# Altium PCB pcb_ROTUND_2 Layers.PcbDoc (part 2 of 2)
Units mil, origin at the board's own origin, x right, y up, seen from the top; angles counter-clockwise.
Board outline 3480.27 x 1380.39 mil, 4 copper layers (Top Layer 1, Signal 1, Signal 2, Bottom Layer 1), stack 70.167 mil thick; 97 components, 66 nets, 389 pads, 469 vias.
Unrouted connection lines stored in the file: 1.
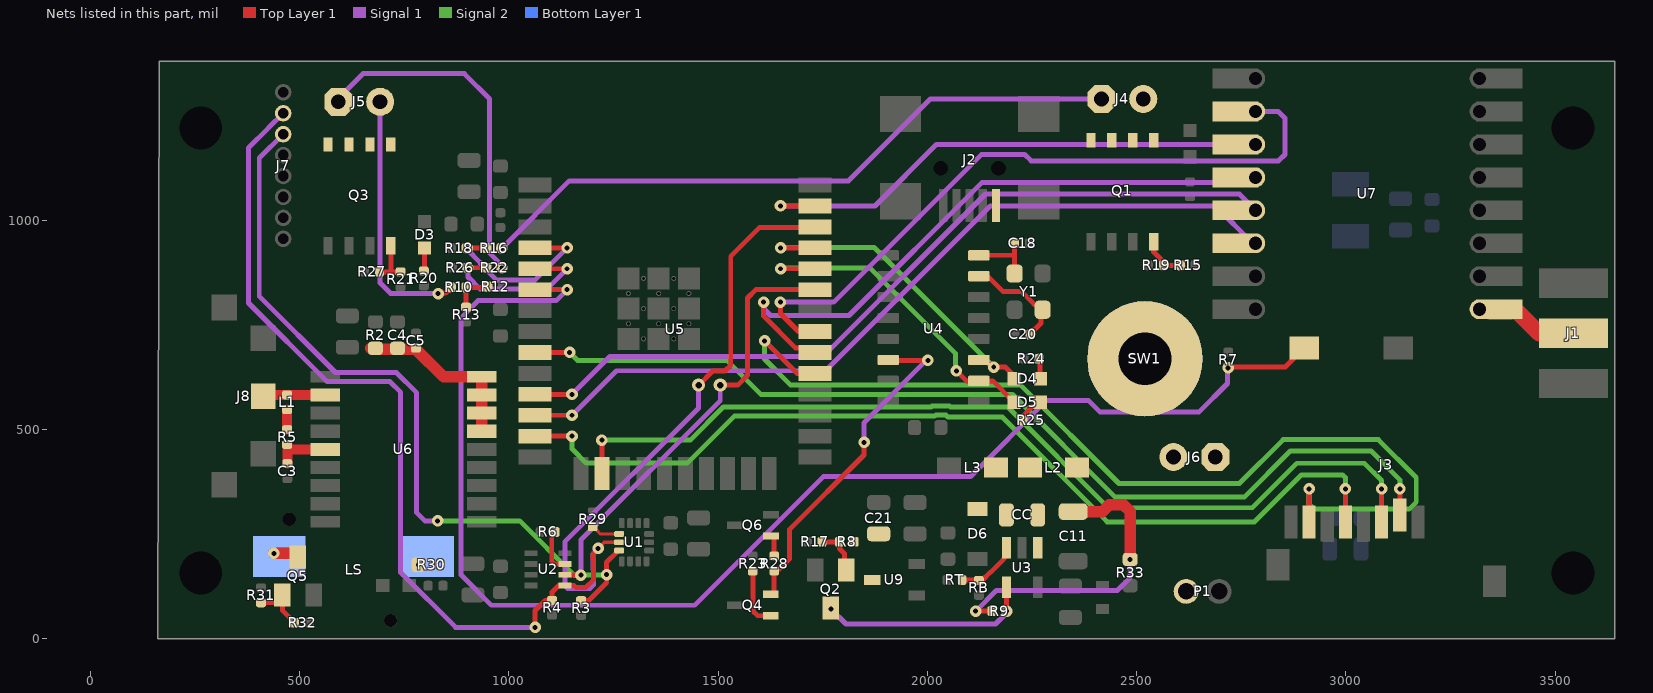
[diagram p4: the nets of this part, all layers, seen from the top]

## Via types
v1: diameter 31.5, hole 15.75, Top Layer 1 to Bottom Layer 1, tented both sides, 345 vias
v2: diameter 27.56, hole 11.81, Top Layer 1 to Bottom Layer 1, tented both sides, 112 vias
v3: diameter 27.56, hole 11.81, Top Layer 1 to Bottom Layer 1, 10 vias
v4: diameter 59.06, hole 59.06, Top Layer 1 to Bottom Layer 1, tented both sides, 2 vias

## Nets (pads, with @x,y where several pads share a name; then routed paths per layer and width w, separated by ;. In a path a pad name is that pad's centre, name@x,y a point inside that pad or via, vN(x,y) a via of type N, cw(c..) or ccw(c..) an arc to the next point about the centre after c; other vN are vias at no path point) (continued)
NetD3_1: D3.1 R20.1 | length 60.4
  Top Layer 1 w11.81: R20.1@790.83,877.1 791.81,877.1 796.73,882.02 796.73,886.97 798.71,888.94 D3.1@798.71,933.7
NetD4_1: D4.1 R24.1 | length 47.6
  Top Layer 1 w11.81: R24.1@2266.3,676.66 2268.52,674.44 D4.1@2268.52,630
NetD5_1: D5.1 R25.1 | length 65.8
  Top Layer 1 w11.81: R25.1@2228.58,522 2228.58,533.41 2250.95,555.78 2259.79,555.78 D5.1@2269.63,565.62
NetJ1_1: J1.1 U7.9 U7.9_1 | length 295.6
  Top Layer 1 w31.5: U7.9@3345.63,778.03 U7.9@3392.87,778.03
  Top Layer 1 w39.37: U7.9_1@3318.9,787.76 U7.9@3366.14,787.76 3403.94,787.76 3461.67,730.02 J1.1@3543.31,730.02
NetJ4_1: J4.1 Q1.5 Q1.6 Q1.7 Q1.8 R16.2 | length 1579.8
  Signal 1 w11.81: v2(983.47,933.69) 1144.26,1094.49 1811.38,1094.49 2006.89,1290 J4.1@2415.63,1290
NetJ5_1: J5.1 Q3.5 Q3.6 Q3.7 Q3.8 R22.2 | length 834.5
  Signal 1 w11.81: J5.1@592.4,1283.3 592.4,1291.27 651.52,1350.39 893.7,1350.39 954.11,1289.98 954.11,946.1 953.94,945.93 953.94,921.46 975.32,900.08 975.32,898.65 982.93,891.03 v2(982.93,886.77)
NetJ6_1: J6.1 P1.1 SW1.2
NetJ8_3: J8.3 L1.2 U6.11 | length 148.7
  Top Layer 1 w23.62: J8.3@413.35,580.21 415.82,582.68 U6.11@561.02,582.68
NetL1_1: L1.1 R5.2 | length 47.7
  Top Layer 1 w23.62: R5.2@470.08,500 L1.1@470.08,547.69
NetLS_M: LS.M Q5.3 | length 76.7
  Top Layer 1 w11.81: v2@438.04,204.08 v2(438.49,204.08)
  Top Layer 1 w27.56: v2(438.49,204.08) 490.16,204.08 496.06,198.18 Q5.3@496.06,195.24
  Bottom Layer 1 w11.81: v2(438.49,204.08) 445.72,196.85 LS.M@448.82,196.85
NetLS_P: LS.P R30.1
  other v2: 783.46,177.19
NetQ1_4: Q1.4 R15.1 R19.2 | length 113.8
  Top Layer 1 w11.81: Q1.4@2540.63,949.25 2540.63,924.45 2559.09,905.98 2559.09,897.51 R19.2@2564.02,892.59 2608.59,892.59 R15.1@2610.63,890.55
NetQ2_1: Q2.1 R8.1 R17.2 | length 124.1
  Top Layer 1 w11.81: R17.2@1748.57,231.15 1786.43,231.15 1788.78,233.5 R8.1@1794.49,227.79 ; R8.1@1789.57,232.05 1789.57,215.86 1801.7,203.73 1801.7,168.97 Q2.1@1806.5,164.18
NetQ2_3: Q2.3 R9.1 U3.4 | length 507.5
  Top Layer 1 w11.81: U3.4@2188.7,123.03 2189.24,122.49 R9.1@2189.24,71.72
  Signal 1 w11.81: v2(1769.1,71.72) 1805.38,35.43 2162.76,35.43 2183.34,56.01 2183.34,56.93 2186.23,59.82 2186.23,68.71 v2@2189.24,71.72
  other v2: 2189.24,66.42
NetQ3_4: Q3.4 R21.1 R27.2 | length 114
  Top Layer 1 w11.81: R27.2@690.43,877.1 717.85,877.1 R21.1@741.24,877.1 ; Q3.4@717.85,938.8 717.85,880.8 721.55,877.1
NetQ4_1: Q4.1 R23.2 | length 134.5
  Top Layer 1 w11.81: R23.2@1583.07,153.43 1583.07,66.42 1594.24,55.26 Q4.1@1625.98,55.26
NetQ5_1: Q5.1 R31.1 R32.2 | length 135.6
  Top Layer 1 w11.81: R31.1@407.63,86.41 444.88,86.41 Q5.1@458.66,100.19 ; Q5.1@458.66,104.69 Q5.1@458.66,100.19 ; R32.2@487.96,38.24 R32.2@488.23,38.51 458.66,68.08 Q5.1@458.66,100.19
NetQ6_1: Q6.1 R28.2 | length 50.8
  Top Layer 1 w11.81: Q6.1@1626.38,245.83 1633.08,239.14 R28.2@1633.08,197.83
NetR6_1: R6.1 U2.2 | length 108
  Top Layer 1 w11.81: R6.1@1110.24,255.48 1102.36,247.6 1102.36,185.34 1109.28,178.42 1133.35,178.42 U2.2@1133.86,178.92
NetR10_1: R10.1 R12.1 R13.2 | length 99.8
  Top Layer 1 w11.81: R13.2@897.72,792.72 R10.1@897.72,840 947.86,840 R12.1@949.53,841.67
NetR29_2: R29.2 U1.12 | length 70.5
  Top Layer 1 w7.87: R29.2@1200.28,268.1 1200.46,268.1 1208.15,260.41 1208.15,260.22 1217.77,250.6 U1.12@1263.39,250.6
NetRB_2: RB.2 RT.1 U3.3 | length 150.1
  Top Layer 1 w11.81: RT.1@2082.4,140.75 2131.61,140.75 2149.1,158.23 2149.95,158.23 2180.01,188.3 2180.01,189.15 2188.7,197.83 U3.3@2188.7,217.52
RFM_CLK: U5.30 U7.4 U7.4_1 | length 1526.3
  Top Layer 1 w11.81: v2(1608.66,804.61) 1608.66,771.34 1684.45,695.55 1720.57,695.55 U5.30@1731.77,684.35
  Signal 1 w11.81: v2(1608.66,804.61) 1610.75,802.52 1610.75,786.89 1624.98,772.66 1812.66,772.66 2130.87,1090.87 2745.39,1090.87 2755.91,1101.38 2782.13,1101.38 U7.4_1@2783.46,1102.72
RFM_MISO: U5.31 U7.2 U7.2_1 | length 1656.8
  Top Layer 1 w11.81: v2@1648.94,804.61 1648.94,777.43 1692.02,734.35 U5.31@1731.77,734.35
  Signal 1 w11.81: v2(1648.68,804.61) 1776.16,804.61 2129.35,1157.8 2231.97,1157.8 2247.68,1142.09 2838.94,1142.09 2854.33,1157.48 2854.33,1244.09 2838.23,1260.2 U7.2_1@2783.46,1260.2
RFM_MOSI: U5.37 U7.3 U7.3_1 | length 1278.7
  Top Layer 1 w11.81: v2@1648.68,1034.09 v2(1648.94,1034.35) U5.37@1731.77,1034.35
  Signal 1 w11.81: v2(1648.94,1034.35) 1874.59,1034.35 2021.69,1181.46 U7.3_1@2783.46,1181.46
RFM_NSS: U5.11 U7.5 U7.5_1 | length 1936
  Top Layer 1 w11.81: U5.11@1062.48,584.35 v2(1150.79,584.35)
  Signal 1 w11.81: v2(1150.79,584.35) 1241.44,675 1750.65,675 2138.64,1062.99 2745.39,1062.99 2783.46,1024.92 U7.5_1@2783.46,1023.98
RFM_RESET: U5.12 U7.6 U7.6_1 | length 1960.7
  Top Layer 1 w11.81: U5.12@1062.48,534.35 v2(1150.79,534.35)
  Signal 1 w11.81: v2(1150.79,534.35) 1257.1,640.66 1756.41,640.66 2150.1,1034.35 2688.25,1034.35 U7.6_1@2778.62,943.98
RST: Q4.2 R28.1 U4.14 | length 824
  Top Layer 1 w11.81: Q4.2@1625.98,106.44 1630.91,106.44 1633.86,109.39 R28.1@1633.86,162.4 ; R28.1@1634.55,158.95 1638.29,158.95 1638.29,165.85 1639.76,167.32 1646.66,167.32 1670,190.67 1670,260.9 1848.48,439.37 v2(1848.48,469.44) ; U4.14@1906.26,666.57 1907.48,665.35 v2(2001.09,665.35)
  Signal 1 w11.81: v2@1848.48,469.47 1848.48,516.31 1997.53,665.35 v2(2001.09,665.35)
RX: D4.2 U4.3 U5.35 | length 794.8
  Top Layer 1 w11.81: v2(1649.35,934.35) U5.35@1731.77,934.35 ; U4.3@2136.38,666.57 2153.49,649.46 v2(2158.43,649.46) 2186.07,649.46 D4.2@2205.53,630
  Signal 2 w11.81: v2(1649.35,934.35) 1650.51,935.51 1872.37,935.51 v2(2158.43,649.46)
SCL: J7.2 R4.1 U1.13 U2.4 U5.36 | length 3472.7
  Top Layer 1 w7.87: v2(1213.1,216.19) 1213.1,216.36 1227.65,230.92 U1.13@1263.39,230.92
  Top Layer 1 w11.81: v2(1062.48,27.56) 1062.48,67.7 1086.88,92.09 R4.1@1103.07,92.09 1103.07,111.84 1118.98,127.74 U2.4@1133.86,127.74 1155.22,127.74 1159.9,123.07 1184.36,123.07 1201.65,140.37 1201.65,189.85 1200.79,190.71 1200.79,203.45 1213.1,215.76 v2(1213.1,216.19) ; v1(1453.36,606.38) 1486.98,640 1516.42,640 1530,653.58 1530,914.25 1599.18,983.43 1730.85,983.43 U5.36@1731.77,984.35
  Signal 1 w11.81: J7.2@460.63,1255.91 460.52,1255.91 425.2,1220.58 425.2,1220.47 377.95,1173.23 377.95,802.56 565.84,614.68 716.03,614.68 741.52,589.19 741.52,158.63 872.6,27.56 v2(1062.48,27.56) ; v2(1213.1,216.19) 1213.1,215.76 1200.79,203.45 1200.79,165.7 1201.65,164.83 1201.65,128.42 1193.87,120.64 1140.52,120.64 1133.6,127.56 1133.6,232.03 1453.36,551.79 v1@1453.36,604.68
SD_CS: J3.2 U5.9 | length 2368.2
  Top Layer 1 w11.81: U5.9@1062.48,684.35 v2(1145,684.35) ; J3.2@3128.54,295.52 v2(3128.54,358.35)
  Signal 2 w11.81: v2(1145,684.35) 1164,665.35 1520.86,665.35 1601.86,584.35 2203.23,584.35 2203.38,584.2 2448.82,338.76 2757.02,338.76 ; 2757.02,338.84 2867.32,449.14 3059.65,449.14 3128.54,380.24 v2(3128.54,358.35)
SD_IN: J3.9 R7.2 U5.6 | length 3315.8
  Top Layer 1 w11.81: U5.6@1062.48,834.35 v2(1139.25,834.35) ; v2(2718.64,647.66) 2720.68,649.7 2855.16,649.7 J3.9@2900.59,695.12
  Signal 1 w11.81: v2(1139.25,834.35) 1112.94,808.04 926.15,808.04 885.83,767.72 885.83,152.65 958.08,80.4 1444.01,80.4 1751.15,387.53 2102.87,387.53 2285.41,570.07 2384.39,570.07 2411.86,542.61 2649.19,542.61 2716.82,610.24 2716.82,645.84 v2(2718.64,647.66)
SD_MISO: J3.7 U5.29 | length 2399.2
  Top Layer 1 w11.81: v2(1610.81,712) 1688.46,634.35 U5.29@1731.77,634.35 ; J3.7@2912.01,279.77 v2(2912.01,358.35)
  Signal 2 w11.81: v2(1610.81,712) 1610.81,668.71 1673.15,606.38 2222.53,606.38 2457.55,371.36 2745.2,371.36 ; 2745.2,371.44 2849.92,476.16 3077.22,476.16 3167.91,385.47 3167.91,326.85 3151.02,309.96 2923.82,309.96 2912.01,321.77 v2(2912.01,358.35)
SD_MOSI: J3.3 U5.16 | length 2233.2
  Top Layer 1 w11.81: U5.16@1222.13,394.98 1222.13,467.13 v2@1225,470 ; J3.3@3085.24,279.77 v2(3085.24,358.35)
  Signal 2 w11.81: v2(1222.13,475) 1433.6,475 1512.5,553.89 2008.64,553.89 2010.93,556.18 2053.33,556.18 2055.61,553.89 2191.68,553.89 2432.18,313.39 2776.16,313.39 2882.4,419.63 3043.9,419.63 3085.24,378.29 v2(3085.24,358.35)
SD_SCK: J3.5 U5.13 | length 2288.2
  Top Layer 1 w11.81: U5.13@1062.48,484.35 v2(1150.79,484.35) ; J3.5@2998.62,279.77 v2(2998.62,358.35)
  Signal 2 w11.81: v2(1150.79,484.35) 1150.79,454.21 1185,420 1426.36,420 1538.5,532.14 2017.51,532.14 2019.9,534.53 2044.36,534.53 2048.97,529.92 2179.3,529.92 2429.53,279.69 2781.46,279.69 2781.54,279.77 2792.29,290.52 2893.82,392.05 2991.7,392.05 2998.62,385.13 v2(2998.62,358.35)
SDA: J7.3 R3.1 U1.14 U2.3 U5.33 | length 2912.8
  Top Layer 1 w9.84: 1233.24,134.39 v2(1233.24,153.33)
  Top Layer 1 w11.81: U2.3@1133.86,153.33 1134.59,152.6 v2(1172.13,152.6) ; R3.1@1172.52,91.38 1190.24,91.38 1233.24,134.39 ; v2(1233.24,153.33) 1233.24,182.94 1258.58,208.28 1260.43,208.28 U1.14@1263.39,211.23 ; v1(1505,606.38) 1546.38,606.38 1570,630 1570,814.45 1589.9,834.35 U5.33@1731.77,834.35
  Signal 1 w11.81: J7.3@460.63,1205.91 460.52,1205.91 403.54,1148.93 403.54,818.51 585.73,636.33 730.96,636.33 779.53,587.76 779.53,301.35 799,281.88 v2(829.47,281.88) ; v2(1172.13,152.6) 1172.13,236.48 1505,569.36 v1(1505,606.38)
  Signal 2 w11.81: v2(829.47,281.88) 1025.6,281.88 1154.41,153.07 1232.97,153.07 v2(1233.24,153.33)
SENSE1: R22.1 R26.2 U5.5 | length 417.2
  Top Layer 1 w11.81: R26.2@900.21,886.77 v2(902.18,886.77) R22.1@947.5,886.77 ; U5.5@1062.48,884.35 v2(1139.25,884.35)
  Signal 1 w11.81: v2(902.18,886.77) 902.18,864.73 931.31,835.59 1090.49,835.59 v2(1139.25,884.35)
  Bottom Layer 1 w11.81: v2@1138.04,885.56 v2(1139.25,884.35)
SENSE2: R16.1 R18.2 U5.4 | length 431.5
  Top Layer 1 w11.81: R18.2@898.01,933.7 v2(899.97,933.7) R16.1@946.07,933.7 ; U5.4@1062.48,934.35 v2(1139.25,934.35)
  Signal 1 w11.81: v2(899.97,933.7) 899.97,930.74 931.7,899 931.7,896.24 970.7,857.25 1062.15,857.25 v2(1139.25,934.35)
  Bottom Layer 1 w11.81: v2@1138.93,934.03 v2(1139.25,934.35)
SW1: CC.1 L2.2 U3.1
SW2: CC.2 D6.1 L3.2
TX: D5.2 U4.2 U5.34 | length 796.8
  Top Layer 1 w11.81: v2(1649.35,884.35) U5.34@1731.77,884.35 ; v2(2069.13,640.51) 2069.13,640.26 2092.82,616.57 U4.2@2122.8,616.57 2155.69,616.57 D5.2@2206.64,565.62
  Signal 2 w11.81: v2(1649.35,884.35) 1651.6,886.6 1862.42,886.6 2066.74,682.27 2066.74,642.9 v2(2069.13,640.51)
VBat: C11.2 J4.2 J5.2 J6.2 L2.1 R9.2 R10.2 R33.2 SW1.1 | length 1368.4
  Top Layer 1 w11.81: v2(830.71,825.2) 831.65,826.14 848.43,826.14 856.38,834.09 857.36,834.09 862.28,839.02 R10.2@862.28,840 ; v2(2115.12,66.42) R9.2@2153.81,66.42
  Top Layer 1 w27.56: C11.2@2348.15,304.13 2418.03,304.13 2434.33,320.43 2468.11,320.43 2484.25,304.29 v2(2484.25,190.08)
  Signal 1 w11.81: J5.2@692.4,1283.3 692.4,850.39 717.59,825.2 v2(830.71,825.2) ; v2(2115.12,66.42) 2164.34,115.65 2453.63,115.65 2484.25,146.27 v2(2484.25,190.08)
VCC_GPS: C4.2 C5.2 R2.2 U6.6 U6.7 U6.8 U6.9 | length 422.9
  Top Layer 1 w27.56: R2.2@670.41,694.54 672.97,691.98 777.8,691.98 843.79,625.98 U6.9@935.04,625.98 U6.8@935.04,582.68 U6.7@935.04,539.37 U6.6@935.04,496.06
VCC_RF: C3.2 R5.1 U6.14 | length 125.3
  Top Layer 1 w23.62: R5.1@470.08,464.57 470.63,464.02 C3.2@470.63,418.6 ; 481.89,452.76 U6.14@561.02,452.76
VUSB: C21.2 J2.1 R8.2 U9.3
X1: C20.2 U4.7 Y1.3 | length 255.1
  Top Layer 1 w11.81: U4.7@2122.8,866.57 2143.95,866.57 2179.98,830.55 2223.74,830.55 2254.8,799.49 2262.19,799.49 2272.75,788.93 2272.75,781.54 2271.51,780.3 2271.51,754.84 2245.04,728.38 C20.2@2245.04,727.39
X2: C18.2 U4.8 Y1.1 | length 165.7
  Top Layer 1 w11.81: U4.8@2127.68,911.69 U4.8@2122.8,916.57 2208.32,916.57 ; C18.2@2205.7,945.24 2208.32,942.62 2208.32,916.57 ; Y1.1@2208.32,873.02 2208.32,916.57
pads on no net: J2.4 J2.MH J3.1 J3.8 LS. U1.2 U1.3 U1.4 U1.9 U1.10 U1.11 U4.9 U4.10 U4.11 U4.12 U4.15 U5.17 U5.18 U5.19 U5.20 U5.21 U5.22 U5.32 U6.4 U6.5 U6.13 U6.15 U6.16 U6.17 U6.18 U7.11 U7.11_1 U7.12 U7.12_1 U7.16 U7.16_1
copper on no net: | length 945.6
  Top Layer 1 w11.81: v2@460.63,879.04 460.63,859.32 512.86,807.09 735.21,807.09 784.92,757.38 v2@831.26,757.38
  Signal 1 w11.81: v2(460.63,882.02) 515.04,882.02 541.31,908.29 541.31,1120.11 505.51,1155.91 460.63,1155.91
  Signal 2 w11.81: v2(824.8,755.41) 827.95,755.41 870.76,712.6 v2(921.26,712.6)
  other v4: 220.28,389.27 220.28,771.16

## Polygon pours and split planes (outlines as drawn)
GND on Top Layer 1 "full" (solid, remove dead copper, pour order 33): 161.46,834.09 450.4,834.09 450.4,321.61 161.46,321.61 161.46,0 3641.73,0 3641.73,1380.39 165.35,1380.39 161.46,1376.5
3.3V on Top Layer 1 "full" (solid, remove dead copper, pour order 12): 3421.26,1129.92 2992.13,1129.92 2992.13,1032.24 2993.62,1030.75 2996.97,1034.09 3262.44,1034.09 3299.21,1070.87 3421.26,1070.87
GND on Top Layer 1 "full" (solid, remove dead copper, pour order 7): 2625.34,212.86 2744.09,212.86 2744.09,0 2486.91,0 1889.76,0 1889.76,244.4 2593.8,244.4
VBat on Top Layer 1 "full" (solid, remove dead copper, pour order 4): 2625.34,807.42 2657.48,775.29 2658.62,772.65 2655.11,394.13 2573.9,394.13 2573.9,271.43 2305.83,271.43 2305.83,433.64 2380.69,433.64 2380.69,778.66 2409.45,807.42
GND on Top Layer 1 "full" (solid, remove dead copper, pour order 20): 2249.29,838.7 2266.61,821.38 2266.69,821.38 2515.63,821.38 2540.78,846.53 2540.78,907.16 2513.34,907.16 2513.34,996.06 2343.21,996.06 2343.21,1369.39 2342.52,1370.08 1720.47,1370.08 1720.47,1220.36 1721.93,1218.9 2227.33,1218.9 2227.33,935.51 2228.49,934.35 2249.29,934.35
VUSB on Top Layer 1 "full" (solid, remove dead copper, pour order 1): 1838.47,229.89 1838.47,121.07 1896.64,121.07 1896.64,228.46 1895.39,229.89 1930.28,229.89 1930.28,509.35 1861.38,578.24 1861.38,1157.48 2115.12,1157.48 2115.12,1044.72 2154.84,1005 2222.29,1005 2222.29,1204.21 1796.66,1204.21 1796.66,229.89
3.3V on Top Layer 1 "full" (solid, remove dead copper, pour order 17): 826.27,212.19 1069.4,212.19 1069.4,142.25 826.27,142.25
3.3V on Top Layer 1 "full" (solid, remove dead copper, pour order 0): 1936.88,212.86 1935.98,211.96 1896.64,211.96 1896.64,121.07 1936.88,121.07 2145.53,121.07 2145.53,209.81 2137.31,218.04 2016.93,218.04 2016.93,274.8 2015.79,275.94 1936.88,275.94
SW1 on Top Layer 1 "full" (solid, remove dead copper, pour order 30): 2216.54,433.37 2219.22,430.68 2284.45,430.68 2284.45,193.28 2250.88,193.28 2250.88,258.96 2246.29,263.55 2216.54,263.55 2216.54,430.68 2278.54,430.68
SW2 on Top Layer 1 "full" (solid, remove dead copper, pour order 27): 2131.4,434.35 2131.48,434.43 2204.96,434.43 2204.96,263.55 2094.54,263.55 2094.54,335.58 2097.31,338.36 2131.4,338.36 2131.4,433.71 2132.13,434.43
GND on Top Layer 1 "GND_L01_P026" (solid, remove dead copper, pour order 26): 158.54,843.96 159.5,844.52 536.58,844.52 536.58,272.06 157.26,271.92 157.26,842.67
GND on Top Layer 1 "full" (solid, remove dead copper, pour order 19): 681.1,968.5 539.37,968.5 539.37,814.45 681.1,814.45 681.1,892.58
no net on Top Layer 1 "NONET_L01_P010" (solid, remove dead copper, pour order 10): 2215.99,1086.93 2216.54,1087.48 2216.54,1208.66 1885.83,1208.66
NetJ4_1 on Top Layer 1 "full" (solid, remove dead copper, pour order 11): 2362.2,1346.46 2362.2,1000 2569.96,1000 2573.9,996.06 2573.9,1218.9 2461.58,1218.9 2461.58,1345.12 2366.02,1345.12
NetJ5_1 on Top Layer 1 "full" (solid, remove dead copper, pour order 21): 539.37,1342.52 538.52,1341.67 538.52,990.91 730.26,990.91 733.8,994.46 733.8,1200.79 636.42,1200.79 636.42,1338.42 543.25,1338.42
3.3V on Top Layer 1 "full" (solid, remove dead copper, pour order 15): 1100.51,1050.74 1100.07,1051.18 1003.94,1051.18 1003.94,1091.36 864.78,1091.36 864.78,1152.18 866.14,1153.54 747.19,1153.54 747.19,1022.18 752.61,1016.75 1100.51,1016.75
GND on Top Layer 1 "full" (solid, remove dead copper, pour order 18): 775.09,1013.78 777.05,1011.81 881.89,1011.81 881.89,870.08 819.88,870.08 819.88,960.63 775.59,960.63 775.59,1011.31 775.09,1011.81
GND on Top Layer 1 "full" (solid, remove dead copper, pour order 6): 1850.02,378.29 1988.01,378.29 1988.01,226.4 1850.02,226.4
NetJ6_1 on Top Layer 1 "FULL" (solid, remove dead copper, pour order 2): 2587.68,379.31 2649.32,379.31 2649.32,487.5 2720.6,487.5 2720.6,319.53 2657.48,319.53 2657.48,80.24 2587.68,80.24
GND on Signal 2 "full" (solid, remove dead copper, pour order 29): 165.35,1380.39 165.35,0 165.36,0 3641.73,0 3641.73,1380.39
3.3V on Signal 2 "full" (solid, remove dead copper, pour order 14): 3286.48,1125.98 3286.48,1070.87 3286.48,15.75 724.41,15.75 724.41,708.66 593.48,708.66 593.48,807.09 724.41,807.09 724.41,1110.24 492.13,1110.24 492.13,1283.3 434.13,1283.3 434.13,1338.42 539.54,1338.42 544.43,1333.52 544.43,1153.54 866.14,1153.54 866.14,1054.83 814.96,1054.83 814.96,238.19 1491.09,238.19 1516.42,212.86 1936.88,212.86 1936.88,350.56 2015.79,350.56 2015.79,219.08 2560.26,219.08 2560.26,102.36 3019.68,102.36 3019.68,238.19 3055.12,238.19 3055.12,102.36 3221.27,102.36 3221.27,1030.75 2989.96,1030.75 2989.96,1125.98
VBat on Signal 2 "full" (solid, remove dead copper, pour order 5): 2487.76,766 2614.69,766 2614.69,568.67 2616.43,566.93 2487.76,566.93 2487.76,381.89 2484.25,381.89 2486.91,379.23 2634.13,379.23 2634.13,484.07 2718.64,484.07 2718.64,1376.75 2715,1380.39 2484.25,1380.39 2484.25,1232.28 1783.46,1232.28 1783.46,1110.24 1003.94,1110.24 1003.94,1377.95 645.67,1377.95 645.67,1230.27 647.68,1232.28 881.89,1232.28 881.89,1011.81 885.83,1015.75 2487.76,1015.75
GND on Bottom Layer 1 "full" (solid, remove dead copper, pour order 32): 165.35,844.24 165.63,844.52 449.88,844.52 449.88,322.93 449.79,322.83 446.42,326.2 165.35,326.2 165.35,0 3641.73,0 3641.73,1380.39 165.35,1380.39
GND on Bottom Layer 1 "full" (solid, remove dead copper, pour order 31): 165.35,1380.39 165.35,0 3641.73,0 3641.73,1380.39
3.3V on Bottom Layer 1 "full" (solid, remove dead copper, pour order 3): 2945.47,1127.63 3237.63,1127.63 3240.95,1124.31 3240.95,1025.59 2945.47,1025.59
NetJ6_1 on Bottom Layer 1 "full" (solid, remove dead copper, pour order 22): 2622.58,500 2622.58,499.55 2649.32,472.8 2649.32,371.36 2729.14,371.36 2729.14,814.49 2362.2,814.49 2362.2,500
GND on Signal 1 "full" (solid, remove dead copper, pour order 28): 165.35,1380.39 165.35,0 165.36,0 3641.73,0 3641.73,1380.39

## Keep-outs
Keep-Out Layer:
  text "'.Layer_Name'" at 11830.71,-7220 h59.06

## Other copper
Top Layer 1:
  pour cut-out: 1279.97,260.2 1322.05,259.81 1322.22,205.76 1279.97,205.76
  text "'.ProjectRevisionART'" at 13215.66,-7213 h59.06
  text "'.Layer_Name'" at 11830.71,-7220 h59.06
Bottom Layer 1:
  text "04-'.ProjectPCBNumber'-R'.ProjectRevisionART'" at 9527.56,-5241.65 h47.24
  text ".ProjectRevisionART" at 13215.66,-7213 h59.06
  text ".ProjectRevisionART" at 13215.66,-7213 h59.06
  text "'.ProjectRevisionART'" at 13215.66,-7213 h59.06
  text "'.Layer_Name'" at 11830.71,-7220 h59.06

## Silkscreen, mask and mechanical layers (free items; w line width, h text height)
Top Overlay:
  region: 11409.45,-5777.09 11409.45,-5698.35 11488.19,-5737.72
  lines w7.87: 838.54,867.25 838.54,955.91 ; 838.54,867.25 838.54,818.2 1007.36,818.2 1007.36,955.91 838.54,955.91 ; 838.54,867.25 838.54,955.91 ; 838.54,955.91 838.54,1211.9 ; 838.54,1211.9 963.79,1211.9 963.79,1346.92 799.67,1346.92 799.21,1346.46 799.21,1212.36 799.67,1211.9 838.54,1211.9
  lines w10: 177.17,1040.5 261.37,1040.5 376.78,1155.91 460.56,1155.91 ; 177.17,1087.86 253.22,1087.86 368.62,1203.27 457.99,1203.27 ; 181.1,885.56 320.12,885.56 390.46,955.91 460.56,955.91 ; 181.1,940.5 275.14,940.5 390.55,1055.91 460.56,1055.91 ; 181.1,990.5 266.09,990.5 381.5,1105.91 460.56,1105.91 ; 181.1,1295.61 330.37,1295.61 370.08,1255.91 460.63,1255.91 ; 181.1,1340.47 340.64,1340.47 375.2,1305.91 460.63,1305.91
  text "3.3V" at 181.1,1346.92 h39.37
  text "SCL" at 181.1,1306.37 h39.37
  text "SDA" at 177.17,1094.95 h39.37
  text "Piezo" at 173.23,1048.51 h39.37
  text "GPS" at 173.23,997.15 h39.37
  text "Fire1" at 177.17,948.67 h39.37
  text "GND" at 177.17,891.98 h39.37
  text "C" at 10216.54,-5391.16 h314.96
  text "'.ProjectPartNumber'" at 9114.17,-5418.82 h47.24
  text "" at 9940.94,-5442.46 h314.96
  text "5" at 10964.57,-5465.81 h314.96
  text "7" at 11358.27,-5465.81 h314.96
  text "0" at 11751.97,-5465.81 h314.96
  text "1" at 12145.67,-5465.81 h314.96
  text "6" at 10570.87,-5467.12 h314.96
  text "2" at 12539.37,-5467.12 h314.96
  text "3" at 12933.07,-5467.12 h314.96
  text "4" at 13329.9,-5467.12 h314.96
  text "ICD" at 11196.85,-5773.15 h60
  text "M" at 10314.96,-6029.05 h393.7
  text "" at 12401.58,-6047.11 h393.7
  text "" at 11574.8,-6048.1 h393.7
  text "" at 12007.87,-6048.1 h393.7
  text "" at 12755.91,-6048.1 h393.7
  text "" at 13188.98,-6048.1 h393.7
  text "" at 13622.05,-6054.99 h393.7
  text "*h" at 8964.57,-6088.11 h275.59
  text "" at 11259.84,-6166.85 h393.7
  text "dsPICDEM.net™" at 7312.99,-6432.6 h118.11
  text "mTouch®" at 8188.98,-6432.6 h118.11
  text "chipKIT™" at 8750,-6432.6 h118.11
  text "dsPICDEM™" at 7303.15,-6658.98 h118.11
  text "MPLAB®" at 8188.98,-6678.66 h118.11
  text "dsPIC®" at 8750,-6678.66 h118.11
  text "PICDEM.net™" at 7303.15,-6905.04 h118.11
  text "PICkit™" at 8198.82,-6914.88 h118.11
  text "PIC®" at 8750,-6914.88 h118.11
  text "PICDEM™" at 7303.15,-7160.94 h118.11
  text "PICtail™" at 8198.82,-7160.94 h118.11
  text "'.ProjectRevisionART'" at 13215.66,-7213 h59.06
  text "'.Layer_Name'" at 11830.71,-7220 h59.06
Bottom Overlay:
  text "'.ProjectRevisionART'" at 13215.66,-7213 h59.06
  text "'.Layer_Name'" at 11830.71,-7220 h59.06
Top Paste:
  text "'.ProjectRevisionART'" at 13215.66,-7213 h59.06
  text "'.Layer_Name'" at 11830.71,-7220 h59.06
Bottom Paste:
  text "'.ProjectRevisionART'" at 13215.66,-7213 h59.06
  text "'.Layer_Name'" at 11830.71,-7220 h59.06
Top Solder:
  text "'.ProjectRevisionART'" at 13215.66,-7213 h59.06
  text "'.Layer_Name'" at 11830.71,-7220 h59.06
Bottom Solder:
  text "'.ProjectRevisionART'" at 13215.66,-7213 h59.06
  text "'.Layer_Name'" at 11830.71,-7220 h59.06
NOTES (M1):
  text "ASSEMBLY NOTES:" at 1157.48,-5265.28 h157.48
  text "1. ALL COMPONENTS SHALL BE RoHS COMPLIANT." at -185.04,-5466.06 h118.11
  text "2. ALL UNUSED THROUGH HOLE COMPONENT LOCATIONS SHALL BE FREE OF SOLDER." at -185.04,-5584.17 h118.11
  text "3. ALL COMPONENTS SHALL BE MOUNTED FLUSH TO THE BOARD, EXCEPT AS NOTED." at -185.04,-5702.28 h118.11
  text "4. FINISHED BOARD SHALL BE FREE OF ALL RESIDUES." at -185.04,-5820.39 h118.11
  text "5. ALL LEADS SHALL BE TRIMMED TO A MAXIMUM HEIGHT OF 2mm" at -185.04,-5938.5 h118.11
  text "'.Layer_Name'" at 12539.37,-7220 h59.06
BOARD (M2):
  the board outline again, w3.94
  text "'.ProjectRevisionART'" at 13215.66,-7213 h59.06
  text "'.Layer_Name'" at 11830.71,-7220 h59.06
REF POINTS (M3):
  text "'.Layer_Name'" at 11830.71,-7220 h59.06
FAB (M4):
  drawing of 392 lines, arcs and shapes, not listed
  text "THIS PCB TO BE MANUFACTURED TO MEET ALL ACCEPTANCE LEVELS" at 9330.28,1063.94 h70
  text "OF A CLASS 2 PCB PER ANSI/IPC-A-600G." at 9330.28,913.94 h70
  text "MATERIAL:" at 9330.28,732.05 h70
  text "FR-4 or Equivalent" at 10130.28,732.05 h70
  text "CONTROLLED IMPEDANCE" at 12342.52,565.43 h70
  text "MULTILAYER" at 10355.28,560.79 h70
  text "2" at 11280.28,560.79 h70
  text "LAYERS" at 11455.28,560.79 h70
  text "Cu WEIGHT EXTERNAL LAYERS" at 10130.28,369.84 h70
  text "35um" at 12180.28,369.84 h70
  text "FINISHED" at 12555.28,369.84 h70
  text "Cu WEIGHT INTERNAL LAYERS" at 10130.28,178.9 h70
  text "N/A" at 12180.28,178.9 h70
  text "FINISHED" at 12555.28,178.9 h70
  text "FINISHED OVERALL THICKNESS" at 10130.28,-12.05 h70
  text "1.6" at 12230.28,-12.05 h70
  text "mm" at 12555.28,-12.05 h70
  text "10" at 13130.28,-12.05 h70
  text "%" at 13455.28,-12.05 h70
  text "COPPER THIEVING ALLOWED" at 10137.8,-202.28 h70
  text "YES" at 12381.89,-202.28 h70
  text "NO" at 13051.18,-202.28 h70
  text "X" at 12838.23,-221.97 h102.36
  text "FINISH:" at 9330.71,-379.45 h70
  text "LEAD-FREE HOT AIR LEVELING" at 10354.33,-391.26 h70
  text "X" at 10173.23,-418.82 h102.36
  text "IMMERSION GOLD" at 10355.28,-609.29 h70
  text "IMMERSION TIN" at 10355.28,-825.83 h70
  text "SMOBC WITH SELECTIVE GOLD PLATING ON LANDS" at 10355.28,-971.69 h70
  text "INDICATED. 1um GOLD OVER 5-10 um NICKEL" at 10355.28,-1121.69 h70
  text "SOLDERMASK" at 10130.28,-1331.73 h70
  text "DYNACHEM EPIC 200 LPI OR EQUIVALENT" at 10980.28,-1331.73 h70
  text "SOLDERMASK COLOR" at 10130.28,-1581.73 h70
  text "GREEN HIGH GLOSS" at 11380.28,-1581.73 h70
  text "SILKSCREEN COLOR" at 10130.28,-1831.73 h70
  text "WHITE" at 11380.28,-1831.73 h70
  text "Blind / Burried Vias" at 10374.02,-2072.36 h70
  text "DRILLING:" at 9350.39,-2082.2 h70
  text "Via Layer Pairs" at 10157.48,-2259.37 h70
  text "Top-Bottom" at 10974.41,-2259.37 h70
  text "ALL HOLES TO BE LOCATED BY THE COORDINATES FROM THE NC DRILL DATA PROVIDED." at 9330.28,-2466.06 h70
  text "05-'.ProjectPCBNumber'" at 10590.55,-2721.97 h70
  text "PCB REV" at 12007.87,-2721.97 h70
  text "USE ARTWORK SET NO." at 9330.28,-2725.43 h70
  text "'.ProjectRevisionART'" at 12525.59,-2731.81 h70
  text "ALL UL LOGO, MANUFACTURER'S ID, AND DATE CODES SHALL BE PLACED" at 9330.28,-2975.43 h70
  text "Layer" at 8820.04,-3095 h60
  text "Name" at 9229.96,-3095 h60
  text "Material" at 10159.7,-3095 h60
  text "Thickness" at 11019.47,-3095 h60
  text "Constant" at 11669.3,-3095 h60
  text "Gerber" at 12239.16,-3095 h60
  text "Board Layer Stack" at 12709.06,-3095 h60
  text "ON THE BOTTOM SIDE UNLESS OTHERWISE INDICATED." at 9330.28,-3125.43 h70
  text "Top Overlay" at 9229.96,-3215 h60
  text "GTO" at 12239.16,-3215 h60
  text "ANY ALTERNATIVES TO THE ABOVE SPECIFICATIONS MUST FIRST BE APPROVED." at 9311.02,-3332.2 h70
  text "Top Solder" at 9229.96,-3335 h60
  text "Solder Resist" at 10159.7,-3335 h60
  text "0,010mm" at 11019.47,-3335 h60
  text "3.5" at 11669.3,-3335 h60
  text "GTS" at 12239.16,-3335 h60
  text "1" at 8820.04,-3455 h60
  text "Top Layer 1" at 9229.96,-3455 h60
  text "CF-004" at 10159.7,-3455 h60
  text "0,035mm" at 11019.47,-3455 h60
  text "GTL" at 12239.16,-3455 h60
  text "Dielectric 1" at 9229.96,-3575 h60
  text "PP-006" at 10159.7,-3575 h60
  text "0,071mm" at 11019.47,-3575 h60
  text "4.1" at 11669.3,-3575 h60
  text "2" at 8820.04,-3695 h60
  text "Signal 1" at 9229.96,-3695 h60
  text "CF-004" at 10159.7,-3695 h60
  text "0,035mm" at 11019.47,-3695 h60
  text "G1" at 12239.16,-3695 h60
  text "Dielectric1" at 9229.96,-3815 h60
  text "FR-4" at 10159.7,-3815 h60
  text "1,500mm" at 11019.47,-3815 h60
  text "4.8" at 11669.3,-3815 h60
  text "3" at 8820.04,-3935 h60
  text "Signal 2" at 9229.96,-3935 h60
  text "CF-004" at 10159.7,-3935 h60
  text "0,035mm" at 11019.47,-3935 h60
  text "G2" at 12239.16,-3935 h60
  text "Dielectric 2" at 9229.96,-4055 h60
  text "PP-006" at 10159.7,-4055 h60
  text "0,071mm" at 11019.47,-4055 h60
  text "4.1" at 11669.3,-4055 h60
  text "4" at 8820.04,-4175 h60
  text "Bottom Layer 1" at 9229.96,-4175 h60
  text "CF-004" at 10159.7,-4175 h60
  text "0,035mm" at 11019.47,-4175 h60
  text "GBL" at 12239.16,-4175 h60
  text "Bottom Solder" at 9229.96,-4295 h60
  text "Solder Resist" at 10159.7,-4295 h60
  text "0,010mm" at 11019.47,-4295 h60
  text "3.5" at 11669.3,-4295 h60
  text "GBS" at 12239.16,-4295 h60
  text "Bottom Overlay" at 9229.96,-4415 h60
  text "GBO" at 12239.16,-4415 h60
  text "Total board thickness:" at 8820.04,-4535 h60
  text "1,802mm" at 11019.47,-4535 h60
  text "'.ProjectRevisionFAB'" at 13215.66,-7213 h59.06
  text "'.Layer_Name'" at 11830.71,-7220 h59.06
Case (M5):
  text "'.Layer_Name'" at 11830.71,-7220 h59.06
Cover (M6):
  text "'.Layer_Name'" at 11830.71,-7220 h59.06
Terminal Block (M7):
  text "'.Layer_Name'" at 11830.71,-7220 h59.06
Route Tool Path:
  text "'.Layer_Name'" at 11830.71,-7220 h59.06
V-Cut (M9):
  text "'.Layer_Name'" at 11830.71,-7220 h59.06
Bottom Assembly:
  text "'.VariantName'" at 1971.26,-6590.08 h35.43
  text "ASSEMBLY VARIANT:" at 2532.28,-6590.08 h35.43
  text "DOCUMENT NUMBER:" at 710.63,-6914.88 h45
  text "02-'.ProjectPCBAssyNumber'-D" at 700.79,-7032.99 h62.99
  text "'.ProjectRevisionASSY'" at 44.18,-7213 h59.06
  text "'.Layer_Name'" at 1417.32,-7220 h39.37
Top Assembly:
  text "6. PLACE LABEL  ON THE LOCATION INDICATED." at -185.04,-6056.61 h118.11
  text "7." at -185.04,-6174.72 h118.11
  text "ASSEMBLY VARIANT:" at 10728.35,-6590.08 h35.43
  text "'.VariantName'" at 11289.37,-6590.08 h35.43
  text "DOCUMENT NUMBER:" at 12549.21,-6914.88 h45.28
  text "02-'.ProjectPCBAssyNumber'-D" at 12559.06,-7032.99 h62.99
  text "'.ProjectRevisionASSY'" at 13215.66,-7213 h59.06
  text "'.Layer_Name'" at 11830.71,-7220 h39.37
Bottom 3D Body:
  text "'.Layer_Name'" at 11830.71,-7220 h45.28
Top 3D Body:
  text "'.Layer_Name'" at 11830.71,-7220 h47.24
Bottom Courtyard:
  text ".ProjectRevisionART" at 13215.66,-7213 h59.06
  text "'.Layer_Name'" at 11830.71,-7220 h39.37
Top Courtyard:
  text "'.ProjectRevisionART'" at 13215.66,-7213 h59.06
  text "'.Layer_Name'" at 11830.71,-7220 h43.31
TITLE (M16):
  lines w3.94: 10708.66,-6540.87 13929.92,-6540.87 ; 12755.91,-6245.59 12755.91,-6363.7 13929.92,-6363.7 ; 13485.83,-7215.47 13485.83,-7165.47 ; 13485.83,-7190.47 13885.83,-7190.47 ; 13492.13,-7143.23 13492.13,-7103.86 ; 13492.13,-7123.54 13885.83,-7123.54 ; 13585.83,-7215.47 13585.83,-7165.47 ; 13685.83,-7215.47 13685.83,-7165.47 ; 13688.98,-7135.35 13688.98,-7111.73 ; 13785.83,-7215.47 13785.83,-7165.47 ; 13885.83,-7215.47 13885.83,-7165.47 ; 13885.83,-7143.23 13885.83,-7103.86 ; 13929.92,-6363.7 13929.92,-6363.7
  lines w5: -870.08,-5071.38 -670.08,-5071.38 ; -870.08,-2696.38 -670.08,-2696.38 ; -870.08,-321.38 -670.08,-321.38 ; 1629.92,-7446.38 1629.92,-7246.38 ; 1629.92,1853.62 1629.92,2053.62 ; 4129.92,-7446.38 4129.92,-7246.38 ; 4129.92,1853.62 4129.92,2053.62 ; 6629.92,-7446.38 6629.92,-7246.38 ; 6629.92,1853.62 6629.92,2053.62 ; 8029.92,-7246.38 9429.92,-7246.38 ; 9129.92,-7446.38 9129.92,-7246.38 ; 9129.92,1853.62 9129.92,2053.62 ; 10708.66,-7246.38 10708.66,-6245.59 ; 10708.66,-7072.36 13929.92,-7072.36 ; 10708.66,-6836.14 13929.92,-6836.14 ; 10708.66,-6599.92 13929.92,-6599.92 ; 11629.92,-7446.38 11629.92,-7246.38 ; 11629.92,1853.62 11629.92,2053.62 ; 11811.02,-7246.38 11811.02,-6599.92 ; 12519.69,-7072.36 12519.69,-6836.14 ; 13031.5,-7246.38 13031.5,-7072.36 ; 13326.77,-7246.38 13326.77,-6836.14 ; 13929.92,-6046.38 13929.92,-7246.38 ; 13929.92,-5071.38 14129.92,-5071.38 ; 13929.92,-2696.38 14129.92,-2696.38 ; 13929.92,-321.38 14129.92,-321.38 ; 13929.92,-7246.38 13929.92,-6245.59 9370.08,-6245.59 9370.08,-7246.38 13929.92,-7246.38 ; 13929.92,-7246.38 -670.08,-7246.38 -670.08,1853.62 13929.92,1853.62 13929.92,-7246.38 ; -870.08,-7446.38 14129.92,-7446.38 14129.92,2053.62 -870.08,2053.62 -870.08,-7446.38
  lines w10: 9579.53,1499.29 9579.53,1676.46 9579.53,1853.62 ; 10071.65,1499.29 10071.65,1676.46 10071.65,1853.62 ; 13162.21,1499.29 13162.21,1676.46 13162.21,1853.62 ; 13929.92,1676.46 9146.46,1676.46 ; 9146.46,1676.46 9146.46,1853.62 13929.92,1853.62 13929.92,1499.29 9146.46,1499.29 9146.46,1676.46
  text "1" at 361.26,1923.62 h70
  text "2" at 2856.92,1923.62 h70
  text "3" at 5346.27,1923.62 h70
  text "4" at 7852.93,1923.62 h70
  text "5" at 10351.92,1923.62 h70
  text "6" at 12856.92,1923.62 h70
  text "REV" at 9244.88,1735.51 h60
  text "ECO" at 9638.58,1735.51 h60
  text "Comments" at 11469.29,1715.83 h60
  text "Date" at 13359.06,1715.83 h60
  text "A" at -795.08,780.62 h70
  text "A" at 14004.92,780.62 h70
  text "B" at -795.08,-1599.38 h70
  text "B" at 14004.92,-1599.38 h70
  text "C" at -795.08,-3974.38 h70
  text "C" at 14004.92,-3974.38 h70
  text "PART NUMBER:" at 12795.28,-6324.33 h39.37
  text "'.ProjectpartNumber'" at 13267.72,-6334.17 h59.06
  text "D" at -795.08,-6344.38 h70
  text "TITLE:" at 10748.03,-6344.02 h45
  text "D" at 14004.92,-6344.38 h70
  text "'.ProjectTitle'" at 10748.03,-6501.5 h98.43
  text "PCB Layout Contact:" at 10748.03,-6678.66 h45.28
  text "GERBER FILE:" at 11850.39,-6678.66 h45.28
  text "'.ProjectDrawnBy'" at 10748.03,-6796.77 h62.99
  text "'.Plot_File_Name'" at 11850.39,-6796.77 h59.06
  text "M" at 9488.19,-6875.51 h600
  text "Project Owner:" at 10748.03,-6914.88 h45.28
  text "BOARD NUMBER:" at 11850.39,-6914.88 h45.28
  text "DATE:" at 13374.02,-6914.88 h45
  text "Microchip Technology Inc." at 9439.76,-7003.86 h70
  text "'.ProjectEngineer'" at 10748.03,-7032.99 h62.99
  text "04-'.ProjectPCBNumber'" at 11850.39,-7032.99 h62.99
  text "'.PRINT_DATE'" at 13374.02,-7032.99 h59.06
  text "2355 W. Chandler Blvd." at 9488.19,-7111.73 h70
  text "LAYER NAME:" at 11850.39,-7131.42 h45
  text "10mm" at 13346.46,-7135.35 h27.56
  text "PCB FILE NAME:" at 10748.03,-7141.26 h45.28
  text "REV:" at 13061.02,-7141.26 h45
  text "400mil" at 13342.52,-7202.28 h27.56
  text "Chandler, AZ  85224" at 9527.56,-7210.16 h70
  text "'.PCB_FILE_NAME_NO_PATH'" at 10748.03,-7220 h39.37
  text "1" at 361.26,-7376.38 h70
  text "2" at 2856.92,-7376.38 h70
  text "3" at 5346.27,-7376.38 h70
  text "4" at 7852.93,-7376.38 h70
  text "5" at 10351.92,-7376.38 h70
  text "6" at 12856.92,-7376.38 h70
Drill Drawing:
  circle w9.84: c-210.54,-2597.76 r32.81
  circle w9.84: c-210.54,-3335.95 r19.68
  circle w9.84: c-210.54,-3335.95 r32.81
  lines w9.84: -243.34,-4238.18 -226.94,-4238.18 -226.94,-4254.59 -194.13,-4254.59 -194.13,-4238.18 -177.73,-4238.18 -177.73,-4205.37 -194.13,-4205.37 -194.13,-4188.97 -226.94,-4188.97 -226.94,-4205.37 -243.34,-4205.37 -243.34,-4238.18 ; -243.34,-4106.95 -210.54,-4090.54 -177.73,-4106.95 -194.13,-4074.14 -177.73,-4041.33 -210.54,-4057.74 -243.34,-4041.33 -226.94,-4074.14 -243.34,-4106.95 ; -243.34,-3959.31 -177.73,-3959.31 -177.73,-3893.69 -243.34,-3893.69 -243.34,-3959.31 ; -243.34,-3795.27 -226.94,-3795.27 -210.54,-3811.67 -194.13,-3795.27 -177.73,-3795.27 -194.13,-3778.87 -177.73,-3762.46 -194.13,-3762.46 -210.54,-3746.06 -226.94,-3762.46 -243.34,-3762.46 -226.94,-3778.87 -243.34,-3795.27 ; -243.34,-3664.04 -177.73,-3664.04 -177.73,-3598.42 -243.34,-3598.42 -243.34,-3664.04 ; -243.34,-3516.4 -243.34,-3499.99 -226.94,-3483.59 -243.34,-3467.19 -243.34,-3450.78 -226.94,-3450.78 -210.54,-3467.19 -194.13,-3450.78 -177.73,-3450.78 -177.73,-3467.19 -194.13,-3483.59 -177.73,-3499.99 -177.73,-3516.4 -194.13,-3516.4 -210.54,-3499.99 -226.94,-3516.4 -243.34,-3516.4 ; -243.34,-3155.51 -177.73,-3155.51 -210.54,-3221.12 -243.34,-3155.51 ; -243.34,-3040.68 -210.54,-3073.49 -177.73,-3040.68 -210.54,-3007.87 -243.34,-3040.68 ; -243.34,-2860.23 -177.73,-2860.23 -210.54,-2925.85 -243.34,-2860.23 ; -243.34,-2761.81 -226.94,-2761.81 -210.54,-2778.21 -194.13,-2761.81 -177.73,-2761.81 -194.13,-2745.4 -177.73,-2729 -194.13,-2729 -210.54,-2712.59 -226.94,-2729 -243.34,-2729 -226.94,-2745.4 -243.34,-2761.81 ; -230.22,-3650.91 -190.85,-3650.91 -190.85,-3611.54 -230.22,-3611.54 -230.22,-3650.91 ; -230.22,-3168.63 -190.85,-3168.63 -210.54,-3208 -230.22,-3168.63 ; -230.22,-2755.24 -220.38,-2755.24 -210.54,-2765.09 -200.69,-2755.24 -190.85,-2755.24 -200.69,-2745.4 -190.85,-2735.56 -200.69,-2735.56 -210.54,-2725.72 -220.38,-2735.56 -230.22,-2735.56 -220.38,-2745.4 -230.22,-2755.24
  lines w11.81: -302.19,-4298.88 7976.99,-4298.88 ; -302.19,-2527.23 7976.99,-2527.23 ; 240.01,-4446.52 240.01,-2379.59 ; 926.83,-4446.52 926.83,-2379.59 ; 2251.24,-4446.52 2251.24,-2379.59 ; 2749.15,-4446.52 2749.15,-2379.59 ; 4441.55,-4446.52 4441.55,-2379.59 ; 5022.11,-4446.52 5022.11,-2379.59 ; 5744.36,-4446.52 5744.36,-2379.59 ; 6596.48,-4446.52 6596.48,-2379.59 ; -302.19,-4446.52 7976.99,-4446.52 7976.99,-2379.59 -302.19,-2379.59 -302.19,-4446.52
  text "Symbol" at -213.61,-2482.93 h70.87
  text "Hit Count" at 284.3,-2482.93 h70.87
  text "Finished Hole Size" at 971.12,-2482.93 h70.87
  text "Plated" at 2295.53,-2482.93 h70.87
  text "Drill Layer Pair" at 2793.44,-2482.93 h70.87
  text "Via/Pad" at 4485.84,-2482.93 h70.87
  text "Hole Type" at 5066.4,-2482.93 h70.87
  text "Hole Length" at 5788.65,-2482.93 h70.87
  text "Routed Path Length" at 6640.77,-2482.93 h70.87
  text "1" at 284.3,-2630.57 h59.06
  text "3,200mm (125,98mil)" at 971.12,-2630.57 h59.06
  text "NPTH" at 2295.53,-2630.57 h59.06
  text "Top Layer 1 - Bottom Layer 1" at 2793.44,-2630.57 h59.06
  text "Pad" at 4485.84,-2630.57 h59.06
  text "Round" at 5066.4,-2630.57 h59.06
  text "-" at 5788.65,-2630.57 h59.06
  text "-" at 6640.77,-2630.57 h59.06
  text "2" at 284.3,-2778.21 h59.06
  text "0,800mm (31,50mil)" at 971.12,-2778.21 h59.06
  text "NPTH" at 2295.53,-2778.21 h59.06
  text "Top Layer 1 - Bottom Layer 1" at 2793.44,-2778.21 h59.06
  text "Pad" at 4485.84,-2778.21 h59.06
  text "Round" at 5066.4,-2778.21 h59.06
  text "-" at 5788.65,-2778.21 h59.06
  text "-" at 6640.77,-2778.21 h59.06
  text "2" at 284.3,-2925.85 h59.06
  text "0,900mm (35,43mil)" at 971.12,-2925.85 h59.06
  text "NPTH" at 2295.53,-2925.85 h59.06
  text "Top Layer 1 - Bottom Layer 1" at 2793.44,-2925.85 h59.06
  text "Pad" at 4485.84,-2925.85 h59.06
  text "Round" at 5066.4,-2925.85 h59.06
  text "-" at 5788.65,-2925.85 h59.06
  text "-" at 6640.77,-2925.85 h59.06
  text "2" at 284.3,-3073.49 h59.06
  text "1,000mm (39,37mil)" at 971.12,-3073.49 h59.06
  text "PTH" at 2295.53,-3073.49 h59.06
  text "Top Layer 1 - Bottom Layer 1" at 2793.44,-3073.49 h59.06
  text "Pad" at 4485.84,-3073.49 h59.06
  text "Round" at 5066.4,-3073.49 h59.06
  text "-" at 5788.65,-3073.49 h59.06
  text "-" at 6640.77,-3073.49 h59.06
  text "2" at 284.3,-3221.12 h59.06
  text "1,500mm (59,06mil)" at 971.12,-3221.12 h59.06
  text "PTH" at 2295.53,-3221.12 h59.06
  text "Top Layer 1 - Bottom Layer 1" at 2793.44,-3221.12 h59.06
  text "Via" at 4485.84,-3221.12 h59.06
  text "Round" at 5066.4,-3221.12 h59.06
  text "-" at 5788.65,-3221.12 h59.06
  text "-" at 6640.77,-3221.12 h59.06
  text "4" at 284.3,-3368.76 h59.06
  text "2,600mm (102,36mil)" at 971.12,-3368.76 h59.06
  text "NPTH" at 2295.53,-3368.76 h59.06
  text "Top Layer 1 - Bottom Layer 1" at 2793.44,-3368.76 h59.06
  text "Pad" at 4485.84,-3368.76 h59.06
  text "Round" at 5066.4,-3368.76 h59.06
  text "-" at 5788.65,-3368.76 h59.06
  text "-" at 6640.77,-3368.76 h59.06
  text "6" at 284.3,-3516.4 h59.06
  text "0,900mm (35,43mil)" at 971.12,-3516.4 h59.06
  text "PTH" at 2295.53,-3516.4 h59.06
  text "Top Layer 1 - Bottom Layer 1" at 2793.44,-3516.4 h59.06
  text "Pad" at 4485.84,-3516.4 h59.06
  text "Round" at 5066.4,-3516.4 h59.06
  text "-" at 5788.65,-3516.4 h59.06
  text "-" at 6640.77,-3516.4 h59.06
  text "8" at 284.3,-3664.04 h59.06
  text "0,650mm (25,59mil)" at 971.12,-3664.04 h59.06
  text "PTH" at 2295.53,-3664.04 h59.06
  text "Top Layer 1 - Bottom Layer 1" at 2793.44,-3664.04 h59.06
  text "Pad" at 4485.84,-3664.04 h59.06
  text "Round" at 5066.4,-3664.04 h59.06
  text "-" at 5788.65,-3664.04 h59.06
  text "-" at 6640.77,-3664.04 h59.06
  text "12" at 284.3,-3811.67 h59.06
  text "0,200mm (7,87mil)" at 971.12,-3811.67 h59.06
  text "PTH" at 2295.53,-3811.67 h59.06
  text "Top Layer 1 - Bottom Layer 1" at 2793.44,-3811.67 h59.06
  text "Pad" at 4485.84,-3811.67 h59.06
  text "Round" at 5066.4,-3811.67 h59.06
  text "-" at 5788.65,-3811.67 h59.06
  text "-" at 6640.77,-3811.67 h59.06
  text "16" at 284.3,-3959.31 h59.06
  text "0,800mm (31,50mil)" at 971.12,-3959.31 h59.06
  text "PTH" at 2295.53,-3959.31 h59.06
  text "Top Layer 1 - Bottom Layer 1" at 2793.44,-3959.31 h59.06
  text "Pad" at 4485.84,-3959.31 h59.06
  text "Round" at 5066.4,-3959.31 h59.06
  text "-" at 5788.65,-3959.31 h59.06
  text "-" at 6640.77,-3959.31 h59.06
  text "122" at 284.3,-4106.95 h59.06
  text "0,300mm (11,81mil)" at 971.12,-4106.95 h59.06
  text "PTH" at 2295.53,-4106.95 h59.06
  text "Top Layer 1 - Bottom Layer 1" at 2793.44,-4106.95 h59.06
  text "Via" at 4485.84,-4106.95 h59.06
  text "Round" at 5066.4,-4106.95 h59.06
  text "-" at 5788.65,-4106.95 h59.06
  text "-" at 6640.77,-4106.95 h59.06
  text "345" at 284.3,-4254.59 h59.06
  text "0,400mm (15,75mil)" at 971.12,-4254.59 h59.06
  text "PTH" at 2295.53,-4254.59 h59.06
  text "Top Layer 1 - Bottom Layer 1" at 2793.44,-4254.59 h59.06
  text "Via" at 4485.84,-4254.59 h59.06
  text "Round" at 5066.4,-4254.59 h59.06
  text "-" at 5788.65,-4254.59 h59.06
  text "-" at 6640.77,-4254.59 h59.06
  text "522 Total" at 284.3,-4402.22 h59.06
  text "DOCUMENT NUMBER:" at 12549.21,-6914.88 h45.28
  text "04-'.ProjectPCBNumber'-D" at 12559.06,-7032.99 h62.99
  text "'.ProjectRevisionFAB'" at 13215.66,-7213 h59.06
TITLE MIRROR (M17):
  lines w3.94: -625.98,-7215.47 -625.98,-7165.47 ; -625.98,-7190.47 -225.98,-7190.47 ; -625.98,-7143.23 -625.98,-7103.86 ; -625.98,-7123.54 -232.28,-7123.54 ; -525.98,-7215.47 -525.98,-7165.47 ; -429.13,-7135.35 -429.13,-7111.73 ; -425.98,-7215.47 -425.98,-7165.47 ; -325.98,-7215.47 -325.98,-7165.47 ; -232.28,-7143.23 -232.28,-7103.86 ; -225.98,-7215.47 -225.98,-7165.47
  lines w5: -870.08,-5071.38 -670.08,-5071.38 ; -870.08,-2696.38 -670.08,-2696.38 ; -870.08,-321.38 -670.08,-321.38 ; -670.08,-7072.36 2551.18,-7072.36 ; -670.08,-6836.14 2551.18,-6836.14 ; -669.29,-6599.92 2551.97,-6599.92 ; -669.29,-6540.87 2551.97,-6540.87 ; -669.29,-6363.7 -645,-6363.7 ; -66.93,-7246.38 -66.93,-6836.14 ; 228.35,-7246.38 228.35,-7072.36 ; 504.72,-6245.59 504.72,-6363.7 -645,-6363.7 ; 740.16,-7072.36 740.16,-6836.14 ; 1449.61,-7246.38 1449.61,-6599.92 ; 1629.92,-7446.38 1629.92,-7246.38 ; 1629.92,1853.62 1629.92,2053.62 ; 2551.97,-7246.38 2551.97,-6245.59 ; 4129.92,-7446.38 4129.92,-7246.38 ; 4129.92,1853.62 4129.92,2053.62 ; 6629.92,-7446.38 6629.92,-7246.38 ; 6629.92,1853.62 6629.92,2053.62 ; 9129.92,-7446.38 9129.92,-7246.38 ; 9129.92,1853.62 9129.92,2053.62 ; 11629.92,-7446.38 11629.92,-7246.38 ; 11629.92,1853.62 11629.92,2053.62 ; 13929.92,-5071.38 14129.92,-5071.38 ; 13929.92,-2696.38 14129.92,-2696.38 ; 13929.92,-321.38 14129.92,-321.38 ; -670.08,-7246.38 3890.55,-7246.38 3890.55,-6245.59 -670.08,-6245.59 -670.08,-7246.38 ; -670.08,-7246.38 -670.08,1853.62 13929.92,1853.62 13929.92,-7246.38 -670.08,-7246.38 ; -645,-6363.7 -645,-6363.7 ; -870.08,-7446.38 -870.08,2053.62 14129.92,2053.62 14129.92,-7446.38 -870.08,-7446.38
  text "5" at 2181.38,2312.92 h70 r90
  text "6" at 402.92,1923.62 h70
  text "4" at 5406.91,1923.62 h70
  text "3" at 7913.58,1923.62 h70
  text "2" at 10402.92,1923.62 h70
  text "1" at 12898.58,1923.62 h70
  text "A" at -745.08,780.62 h70
  text "A" at 14054.92,780.62 h70
  text "B" at -745.08,-1599.38 h70
  text "B" at 14054.92,-1599.38 h70
  text "C" at -745.08,-3974.38 h70
  text "C" at 14054.92,-3974.38 h70
  text "PART NUMBER:" at 465.35,-6324.33 h39.37
  text "TITLE:" at 2512.6,-6324.33 h45
  text "'.ProjectpartNumber'" at -7.09,-6334.17 h59.06
  text "D" at -745.08,-6344.38 h70
  text "D" at 14054.92,-6344.38 h70
  text "'.ProjectTitle'" at 2512.6,-6501.5 h98.43
  text "GERBER FILE:" at 1410.24,-6678.66 h45
  text "PCB DESIGNER:" at 2512.6,-6678.66 h45
  text "'.Plot_File_Name'" at 1410.24,-6796.77 h59.06
  text "'.ProjectDrawnBy'" at 2512.6,-6796.77 h70
  text "M" at 3772.44,-6875.51 h600
  text "DATE:" at -114.17,-6914.88 h45
  text "BOARD NUMBER:" at 1409.45,-6914.88 h45
  text "ENGINEER:" at 2511.81,-6914.88 h45
  text "Microchip Technology Inc." at 3820.87,-7003.86 h70
  text "'.PRINT_DATE'" at -114.17,-7032.99 h59.06
  text "04-'.ProjectPCBNumber'" at 1409.45,-7032.99 h62.99
  text "'.ProjectEngineer'" at 2511.81,-7032.99 h70
  text "2355 W. Chandler Blvd." at 3772.44,-7111.73 h70
  text "LAYER NAME:" at 1409.45,-7131.42 h45
  text "10mm" at -86.61,-7135.35 h27.56
  text "REV:" at 198.82,-7141.26 h45
  text "PCB FILE NAME:" at 2511.81,-7141.26 h45
  text "400mil" at -82.68,-7202.28 h27.56
  text "Chandler, AZ  85224" at 3733.07,-7210.16 h70
  text "'.PCB_FILE_NAME_NO_PATH'" at 2511.81,-7220 h45
  text "6" at 402.92,-7376.38 h70
  text "5" at 2907.92,-7376.38 h70
  text "4" at 5406.91,-7376.38 h70
  text "3" at 7913.58,-7376.38 h70
  text "2" at 10402.92,-7376.38 h70
  text "1" at 12898.58,-7376.38 h70

## Dimensions
3641.73,0 to 3641.73,1380.39 on FAB (M4)
161.46,0 to 3641.73,1380.39 on FAB (M4)

## Text inside footprints (layer, text, board x,y; h text height)
C11: Top Courtyard "C" at 2359.96,237.2 h23.62 r90
J2: Top Assembly "1" at 2170.63,1075 h39.37 r180
J7: Top Assembly "1" at 437.5,1314.03 h39.37 r270
LS: Bottom Overlay "+" at 837.55,257.12 h50.04; Bottom Overlay "-" at 443.54,257.15 h50.07
Q1: Top Assembly "1" at 2384.37,963.5 h39.37
Q3: Top Assembly "1" at 561.59,953.05 h39.37
U3: Top Assembly "1" at 2285.15,219.48 h19.68 r180
U5: Top 3D Body "ANTENNA" at 1160.91,1231.59 h70